# KiCad board the_moon.kicad_pcb
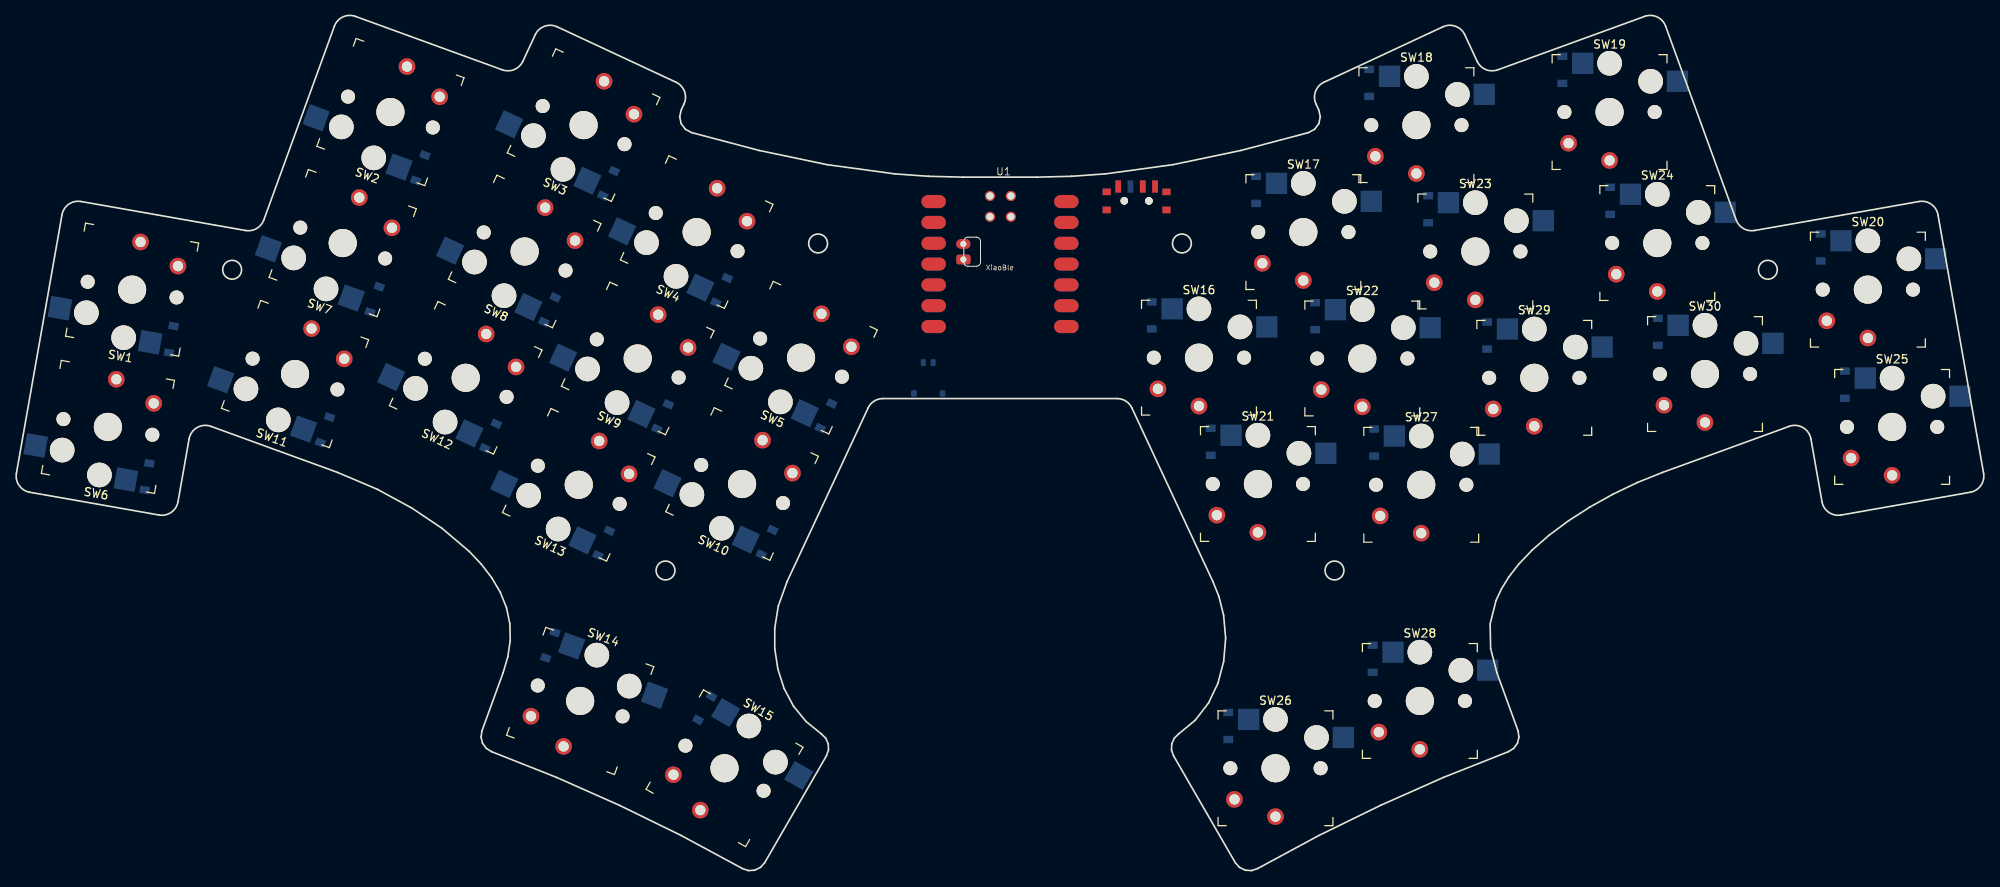
[diagram p0: board, top side]
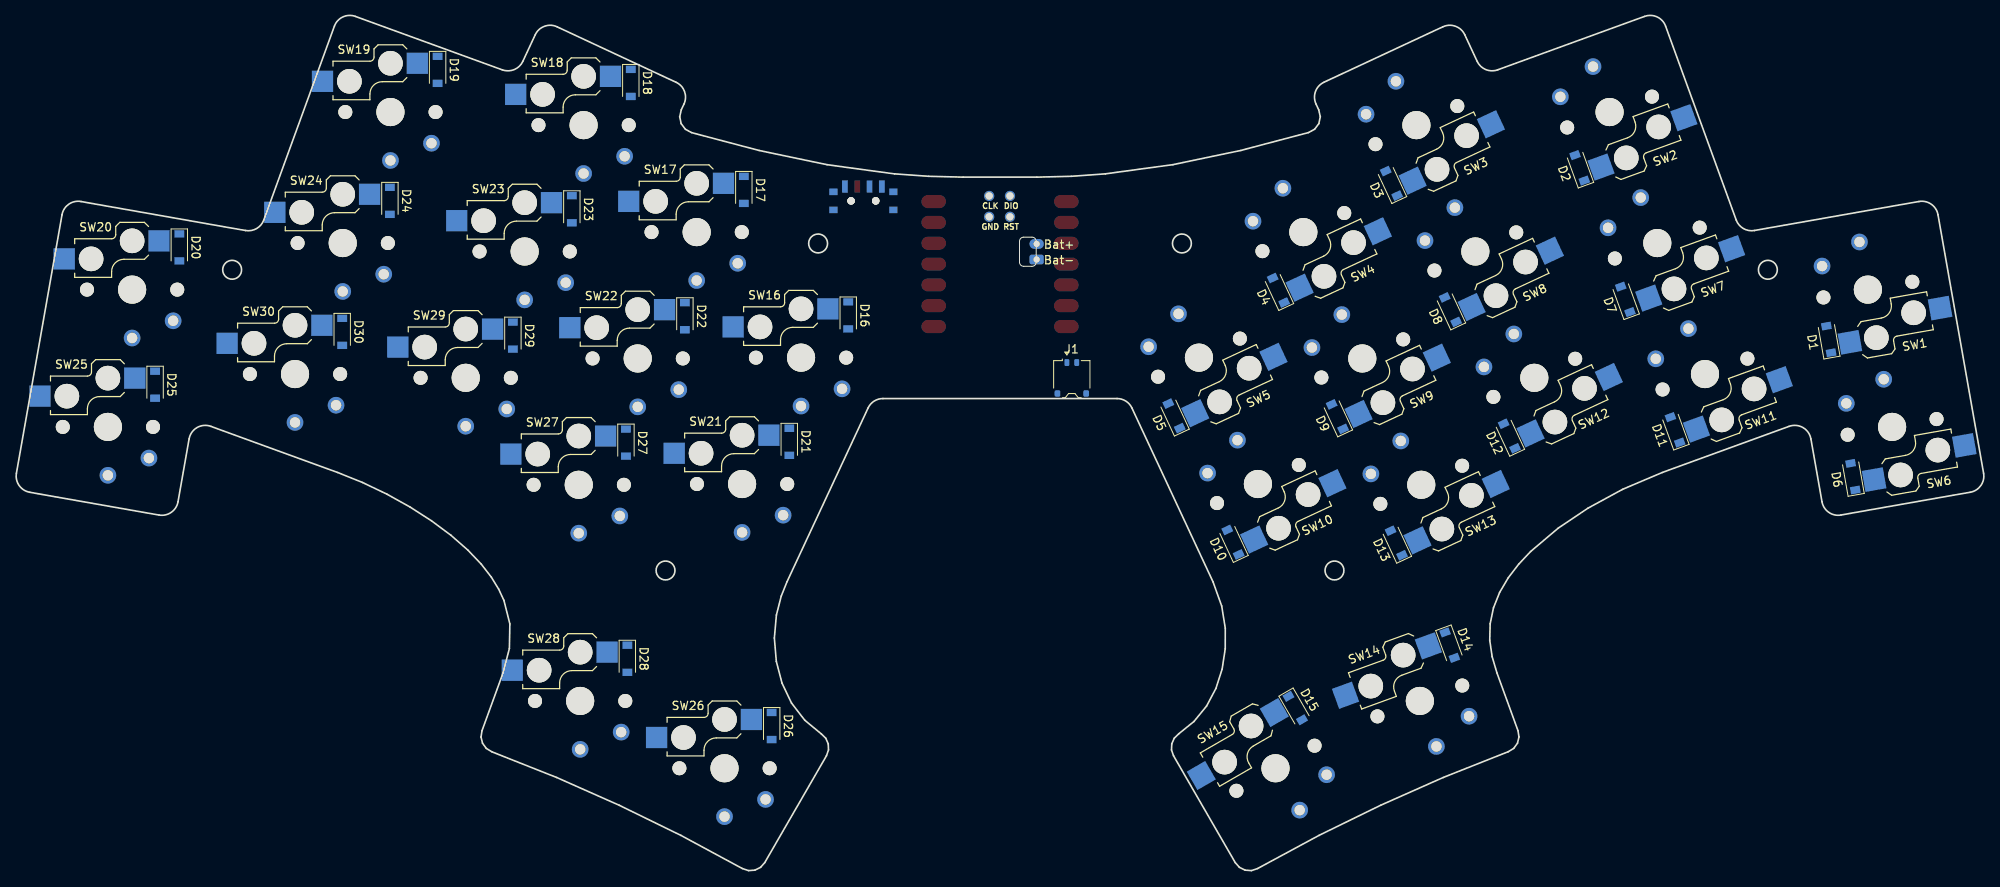
[diagram p1: board, bottom side, seen from below]

Outline 239.81 x 104.28 mm; copper layers: Top, Bottom. Coordinates in mm from the lower left corner of the outline.
Outline path: circle c11.18,54.1 r1 ; circle c14.13,70.84 r1 ; circle c26.32,73.26 r1.15 ; circle c33.99,60.55 r1 ; circle c39.8,76.52 r1 ; circle c45.61,92.5 r1 ; circle c54.79,60.09 r1 ; circle c61.97,75.5 r1 ; circle c68.57,47.04 r1 ; circle c68.74,20.69 r1 ; circle c69.16,90.9 r1 ; circle c75.75,62.45 r1 ; circle c79.14,36.6 r1.15 ; circle c82.94,77.86 r1 ; circle c86.33,12.48 r1 ; circle c88.47,47.14 r1 ; circle c95.66,62.55 r1 ; circle c97.74,76.47 r1.15 ; circle c142.08,76.47 r1.15 ; circle c144.16,62.55 r1 ; circle c151.34,47.14 r1 ; circle c153.48,12.48 r1 ; circle c156.88,77.86 r1 ; circle c160.67,36.6 r1.15 ; circle c164.06,62.45 r1 ; circle c170.66,90.9 r1 ; circle c171.08,20.69 r1 ; circle c171.25,47.04 r1 ; circle c177.84,75.5 r1 ; circle c185.02,60.09 r1 ; circle c194.2,92.5 r1 ; circle c200.01,76.52 r1 ; circle c205.83,60.55 r1 ; circle c213.49,73.26 r1.15 ; circle c225.68,70.84 r1 ; circle c228.63,54.1 r1 ; 1.65,46.14 arc(0.36,46.96) 0.03,48.45 5.59,79.97 arc(6.41,81.26) 7.9,81.59 27.96,78.05 arc(29.3,78.29) 30.18,79.34 38.78,102.97 arc(39.82,104.09) 41.35,104.16 59.25,97.64 arc(60.7,97.68) 61.75,98.68 63.27,101.93 arc(64.39,102.96) 65.92,102.89 80.42,96.13 arc(81.46,95) 81.39,93.47 81.06,92.76 80.87,91.92 81.05,91.08 81.56,90.4 82.32,89.99 90.56,87.81 98.84,86.08 107.06,84.96 111.21,84.66 115.41,84.56 124.41,84.56 128.61,84.66 132.75,84.96 140.98,86.08 149.26,87.81 157.49,89.99 158.25,90.4 158.76,91.08 158.94,91.92 158.76,92.76 158.42,93.47 arc(158.36,95) 159.39,96.13 173.89,102.89 arc(175.42,102.96) 176.55,101.93 178.06,98.68 arc(179.11,97.68) 180.56,97.64 198.47,104.16 arc(200,104.09) 201.03,102.97 209.63,79.34 arc(210.51,78.29) 211.86,78.05 231.91,81.59 arc(233.4,81.26) 234.23,79.97 239.78,48.45 arc(239.45,46.96) 238.16,46.14 222.4,43.36 arc(220.91,43.69) 220.09,44.98 218.74,52.64 arc(217.77,54.02) 216.08,54.17 200.62,48.54 197.59,47.33 194.64,45.91 191.82,44.35 189.2,42.66 186.83,40.89 184.76,39.09 183.13,37.37 181.9,35.78 181.01,34.32 180.37,32.94 179.64,30.08 179.7,27.08 180.47,24.11 183.04,17.06 183.16,16.29 182.98,15.53 182.52,14.9 181.85,14.5 173.93,11.35 166.3,7.96 158.79,4.3 151.3,0.25 150.56,0 149.78,0.05 149.09,0.4 148.57,0.98 141.06,14 140.81,14.71 140.84,15.46 141.15,16.15 141.68,16.67 143.7,18.34 145.32,20.44 146.47,22.86 147.17,25.51 147.41,28.36 147.16,31.16 146.57,33.46 145.87,35.21 135.99,56.41 arc(135.25,57.25) 134.17,57.56 105.64,57.56 arc(104.57,57.25) 103.83,56.41 93.94,35.21 92.88,32.25 92.45,29.56 92.46,27.05 92.84,24.57 93.59,22.21 94.73,20.06 96.27,18.18 98.13,16.67 98.67,16.15 98.97,15.46 99,14.71 98.76,14 91.24,0.98 90.73,0.4 90.03,0.05 89.26,0 88.52,0.25 81.02,4.3 73.52,7.96 65.88,11.35 57.96,14.5 57.3,14.9 56.84,15.53 56.66,16.29 56.77,17.06 59.34,24.11 59.93,26.08 60.22,28.08 60.17,30.09 59.76,32.04 59.02,33.92 57.97,35.7 56.69,37.36 55.23,38.91 51.88,41.75 48.24,44.19 44.03,46.49 39.19,48.54 23.73,54.17 arc(22.05,54.02) 21.08,52.64 19.73,44.98 arc(18.9,43.69) 17.41,43.36 1.65,46.14
Stack: Top 0.035mm / dielectric 1.51mm FR4 er 4.5 / Bottom 0.035mm

## Placement (name value [footprint] x y rotation side)
D1  D  [D_SOD-123]  18.9 64.77 80 bottom
D2  D  [D_SOD-123]  49.26 85.69 70 bottom
D3  D  [D_SOD-123]  72.19 83.81 65 bottom
D4  D  [D_SOD-123]  85.97 70.76 65 bottom
D5  D  [D_SOD-123]  98.69 55.45 65 bottom
D6  D  [D_SOD-123]  15.95 48.03 80 bottom
D7  D  [D_SOD-123]  43.69 69.65 70 bottom
D8  D  [D_SOD-123]  65.01 68.4 65 bottom
D9  D  [D_SOD-123]  78.79 55.35 65 bottom
D10  D  [D_SOD-123]  91.51 40.04 65 bottom
D11  D  [D_SOD-123]  37.63 53.74 70 bottom
D12  D  [D_SOD-123]  57.83 52.99 65 bottom
D13  D  [D_SOD-123]  71.6 39.95 65 bottom
D14  D  [D_SOD-123]  65.09 27.49 250 bottom
D15  D  [D_SOD-123]  83.93 19.82 240 bottom
D16  D  [D_SOD-123]  138.41 67.7 270 bottom
D17  D  [D_SOD-123]  151.13 83.01 270 bottom
D18  D  [D_SOD-123]  164.9 96.05 270 bottom
D19  D  [D_SOD-123]  188.45 97.65 270 bottom
D20  D  [D_SOD-123]  219.93 75.99 270 bottom
D21  D  [D_SOD-123]  145.59 52.29 270 bottom
D22  D  [D_SOD-123]  158.31 67.6 270 bottom
D23  D  [D_SOD-123]  172.09 80.65 270 bottom
D24  D  [D_SOD-123]  194.26 81.67 270 bottom
D25  D  [D_SOD-123]  222.88 59.25 270 bottom
D26  D  [D_SOD-123]  147.73 17.63 270 bottom
D27  D  [D_SOD-123]  165.5 52.19 270 bottom
D28  D  [D_SOD-123]  165.33 25.84 270 bottom
D29  D  [D_SOD-123]  179.27 65.24 270 bottom
D30  D  [D_SOD-123]  200.08 65.7 270 bottom
J1  Conn_01x02_Male  [JST_ACH_BM02B-ACHSS-GAN-ETF_1x02-1MP_P1.20mm_Vertical]  111.16 60.08 180 bottom
PSW1  SW_SPDT  [Power_reversible]  136.56 81.67 0 top
SW1  SW_PUSH  [Kailh_socket_PG1350_optional]  14.13 70.84 170 top
SW2  SW_PUSH  [Kailh_socket_PG1350_optional]  45.61 92.5 160 top
SW3  SW_PUSH  [Kailh_socket_PG1350_optional]  69.16 90.9 155 top
SW4  SW_PUSH  [Kailh_socket_PG1350_optional]  82.94 77.86 155 top
SW5  SW_PUSH  [Kailh_socket_PG1350_optional]  95.66 62.55 155 top
SW6  SW_PUSH  [Kailh_socket_PG1350_optional]  11.18 54.1 170 top
SW7  SW_PUSH  [Kailh_socket_PG1350_optional]  39.8 76.52 160 top
SW8  SW_PUSH  [Kailh_socket_PG1350_optional]  61.97 75.5 155 top
SW9  SW_PUSH  [Kailh_socket_PG1350_optional]  75.75 62.45 155 top
SW10  SW_PUSH  [Kailh_socket_PG1350_optional]  88.47 47.14 155 top
SW11  SW_PUSH  [Kailh_socket_PG1350_optional]  33.99 60.55 160 top
SW12  SW_PUSH  [Kailh_socket_PG1350_optional]  54.79 60.09 155 top
SW13  SW_PUSH  [Kailh_socket_PG1350_optional]  68.57 47.04 155 top
SW14  SW_PUSH  [Kailh_socket_PG1350_optional]  68.74 20.69 340 top
SW15  SW_PUSH  [Kailh_socket_PG1350_optional]  86.33 12.48 330 top
SW16  SW_PUSH  [Kailh_socket_PG1350_optional]  144.16 62.55 0 top
SW17  SW_PUSH  [Kailh_socket_PG1350_optional]  156.88 77.86 0 top
SW18  SW_PUSH  [Kailh_socket_PG1350_optional]  170.66 90.9 0 top
SW19  SW_PUSH  [Kailh_socket_PG1350_optional]  194.2 92.5 0 top
SW20  SW_PUSH  [Kailh_socket_PG1350_optional]  225.68 70.84 0 top
SW21  SW_PUSH  [Kailh_socket_PG1350_optional]  151.34 47.14 0 top
SW22  SW_PUSH  [Kailh_socket_PG1350_optional]  164.06 62.45 0 top
SW23  SW_PUSH  [Kailh_socket_PG1350_optional]  177.84 75.5 0 top
SW24  SW_PUSH  [Kailh_socket_PG1350_optional]  200.01 76.52 0 top
SW25  SW_PUSH  [Kailh_socket_PG1350_optional]  228.63 54.1 0 top
SW26  SW_PUSH  [Kailh_socket_PG1350_optional]  153.48 12.48 0 top
SW27  SW_PUSH  [Kailh_socket_PG1350_optional]  171.25 47.04 0 top
SW28  SW_PUSH  [Kailh_socket_PG1350_optional]  171.08 20.69 0 top
SW29  SW_PUSH  [Kailh_socket_PG1350_optional]  185.02 60.09 0 top
SW30  SW_PUSH  [Kailh_socket_PG1350_optional]  205.83 60.55 0 top
U1  XiaoBle  [XIAO_Ble]  119.82 73.94 0 top

## Library data of the parts
PSW1 = -: Field4: SW01

## Footprints (pads in the part's own frame, mm; a bottom-side part is the same pattern mirrored in y, then rotated)
D_SOD-123
  rect 0.9x1.2 smd: 1(-1.65,0) 2(1.65,0)
JST_ACH_BM02B-ACHSS-GAN-ETF_1x02-1MP_P1.20mm_Vertical
  rrect 0.6x0.85 smd: 1(-0.6,1.875) 2(0.6,1.875)
  rrect 0.7x0.8 smd: MP(-1.75,-1.9) MP(1.75,-1.9)
Kailh_socket_PG1350_optional
  round 1.702 hole 1.702 unplated: (-5.5,0) (5.5,0)
  round 3 hole 3 unplated: (0,5.95) (5,3.75)
  round 3.429 hole 3.429 unplated: (0,0)
  rect 2.6x2.6 smd far side: 1(-3.275,5.95) 2(8.275,3.75)
  round 2.032 hole 1.27: 1(0,-5.9) 2(-5,-3.8)
Power_reversible
  rect 1x0.8 smd: (-3.65,1.1) (-3.65,-1.1) (3.65,1.1) (3.65,-1.1)
  rect 1x0.8 smd far side: (-3.65,1.1) (-3.65,-1.1) (3.65,1.1) (3.65,-1.1)
  round 0.9 hole 0.9 unplated: (-1.5,0) (-1.5,0) (1.5,0) (1.5,0)
  rect 0.7x1.5 smd: 1(-2.25,1.75) 2(0.75,1.75) 3(2.25,1.75)
  rect 0.7x1.5 smd far side: 1(2.25,1.75) 2(-0.75,1.75) 3(-2.25,1.75)
XIAO_Ble
  oval 3x1.6 smd: 1(-7.992,7.64) 2(-7.992,5.1) 3(-7.992,2.56) 4(-7.992,0.02) 5(-7.992,-2.52) 6(-7.992,-5.06) 7(-7.992,-7.6) 8(8.172,7.64) 9(8.172,5.1) 10(8.172,2.56) 11(8.172,0.02) 12(8.172,-2.52) 13(8.172,-5.06) 14(8.172,-7.6)
  round 1.25 hole 0.9: 15(-1.126,5.787) 16(1.414,5.787) 17(-1.126,8.327) 18(1.414,8.327)
  rrect 1.75x1.2 hole 0.75: 19(-4.375,0.578)
  oval 1.75x1.2 hole 0.75: 20(-4.375,2.478)

## Nets
Bat+: PSW1.2 U1.20
Bat-: J1.1 U1.19
Col 0: SW1.1 SW6.1 SW11.1 SW16.1 SW21.1 SW26.1 U1.1
Col 1: SW2.1 SW7.1 SW12.1 SW17.1 SW22.1 SW27.1 U1.2
Col 2: SW3.1 SW8.1 SW13.1 SW18.1 SW23.1 SW28.1 U1.3
Col 3: SW4.1 SW9.1 SW14.1 SW19.1 SW24.1 SW29.1 U1.4
Col 4: SW5.1 SW10.1 SW15.1 SW20.1 SW25.1 SW30.1 U1.5
Row 0: D1.1 D2.1 D3.1 D4.1 D5.1 U1.6
Row 1: D6.1 D7.1 D8.1 D9.1 D10.1 U1.7
Row 2: D11.1 D12.1 D13.1 D14.1 D15.1 U1.11
Row 3: D16.1 D17.1 D18.1 D19.1 D20.1 U1.12
Row 4: D21.1 D22.1 D23.1 D24.1 D25.1 U1.13
Row 5: D26.1 D27.1 D28.1 D29.1 D30.1 U1.14
Net-(D1-Pad2): D1.2 SW1.2
Net-(D2-Pad2): D2.2 SW2.2
Net-(D3-Pad2): D3.2 SW3.2
Net-(D4-Pad2): D4.2 SW4.2
Net-(D5-Pad2): D5.2 SW5.2
Net-(D6-Pad2): D6.2 SW6.2
Net-(D7-Pad2): D7.2 SW7.2
Net-(D8-Pad2): D8.2 SW8.2
Net-(D9-Pad2): D9.2 SW9.2
Net-(D10-Pad2): D10.2 SW10.2
Net-(D11-Pad2): D11.2 SW11.2
Net-(D12-Pad2): D12.2 SW12.2
Net-(D13-Pad2): D13.2 SW13.2
Net-(D14-Pad2): D14.2 SW14.2
Net-(D15-Pad2): D15.2 SW15.2
Net-(D16-Pad2): D16.2 SW16.2
Net-(D17-Pad2): D17.2 SW17.2
Net-(D18-Pad2): D18.2 SW18.2
Net-(D19-Pad2): D19.2 SW19.2
Net-(D20-Pad2): D20.2 SW20.2
Net-(D21-Pad2): D21.2 SW21.2
Net-(D22-Pad2): D22.2 SW22.2
Net-(D23-Pad2): D23.2 SW23.2
Net-(D24-Pad2): D24.2 SW24.2
Net-(D25-Pad2): D25.2 SW25.2
Net-(D26-Pad2): D26.2 SW26.2
Net-(D27-Pad2): D27.2 SW27.2
Net-(D28-Pad2): D28.2 SW28.2
Net-(D29-Pad2): D29.2 SW29.2
Net-(D30-Pad2): D30.2 SW30.2
Net-(J1-Pad2): J1.2 PSW1.1

Pads without a net: J1 MP; PSW1 3; U1 8 9 10 15 16 17 18
